# Altium PCB Smart-Car.PcbDoc (part 1 of 2)
Units mil, origin at the board's own origin, x right, y up, seen from the top; angles counter-clockwise.
Board outline 3864.45 x 1894.79 mil, 4 copper layers (Top Layer, Signal Layer 1, GND, Bottom Layer), stack 36.221 mil thick; 161 components, 132 nets, 578 pads, 430 vias.
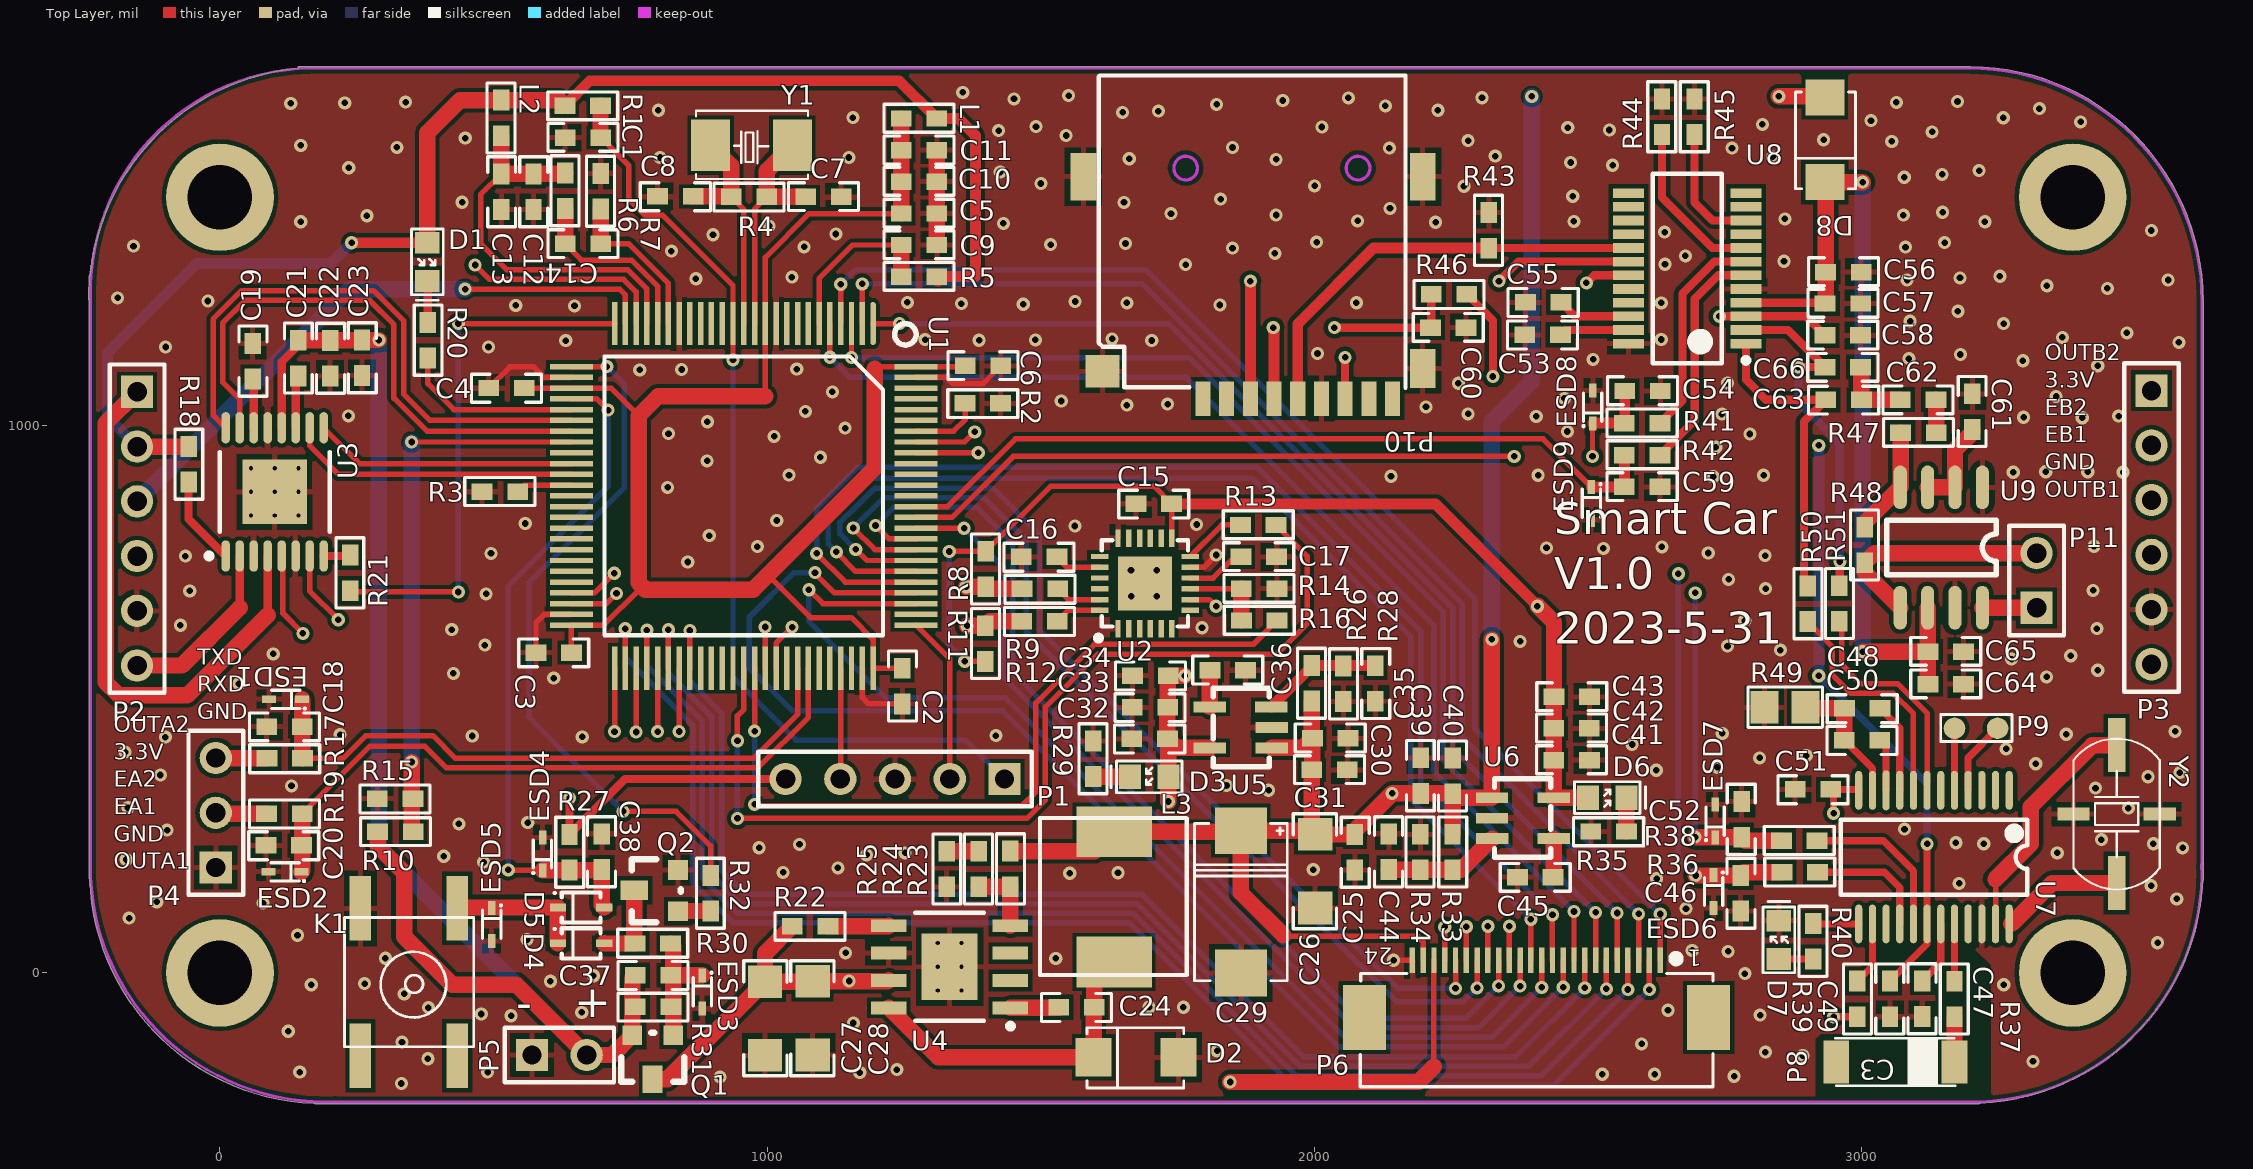
[diagram p0: Top Layer view]
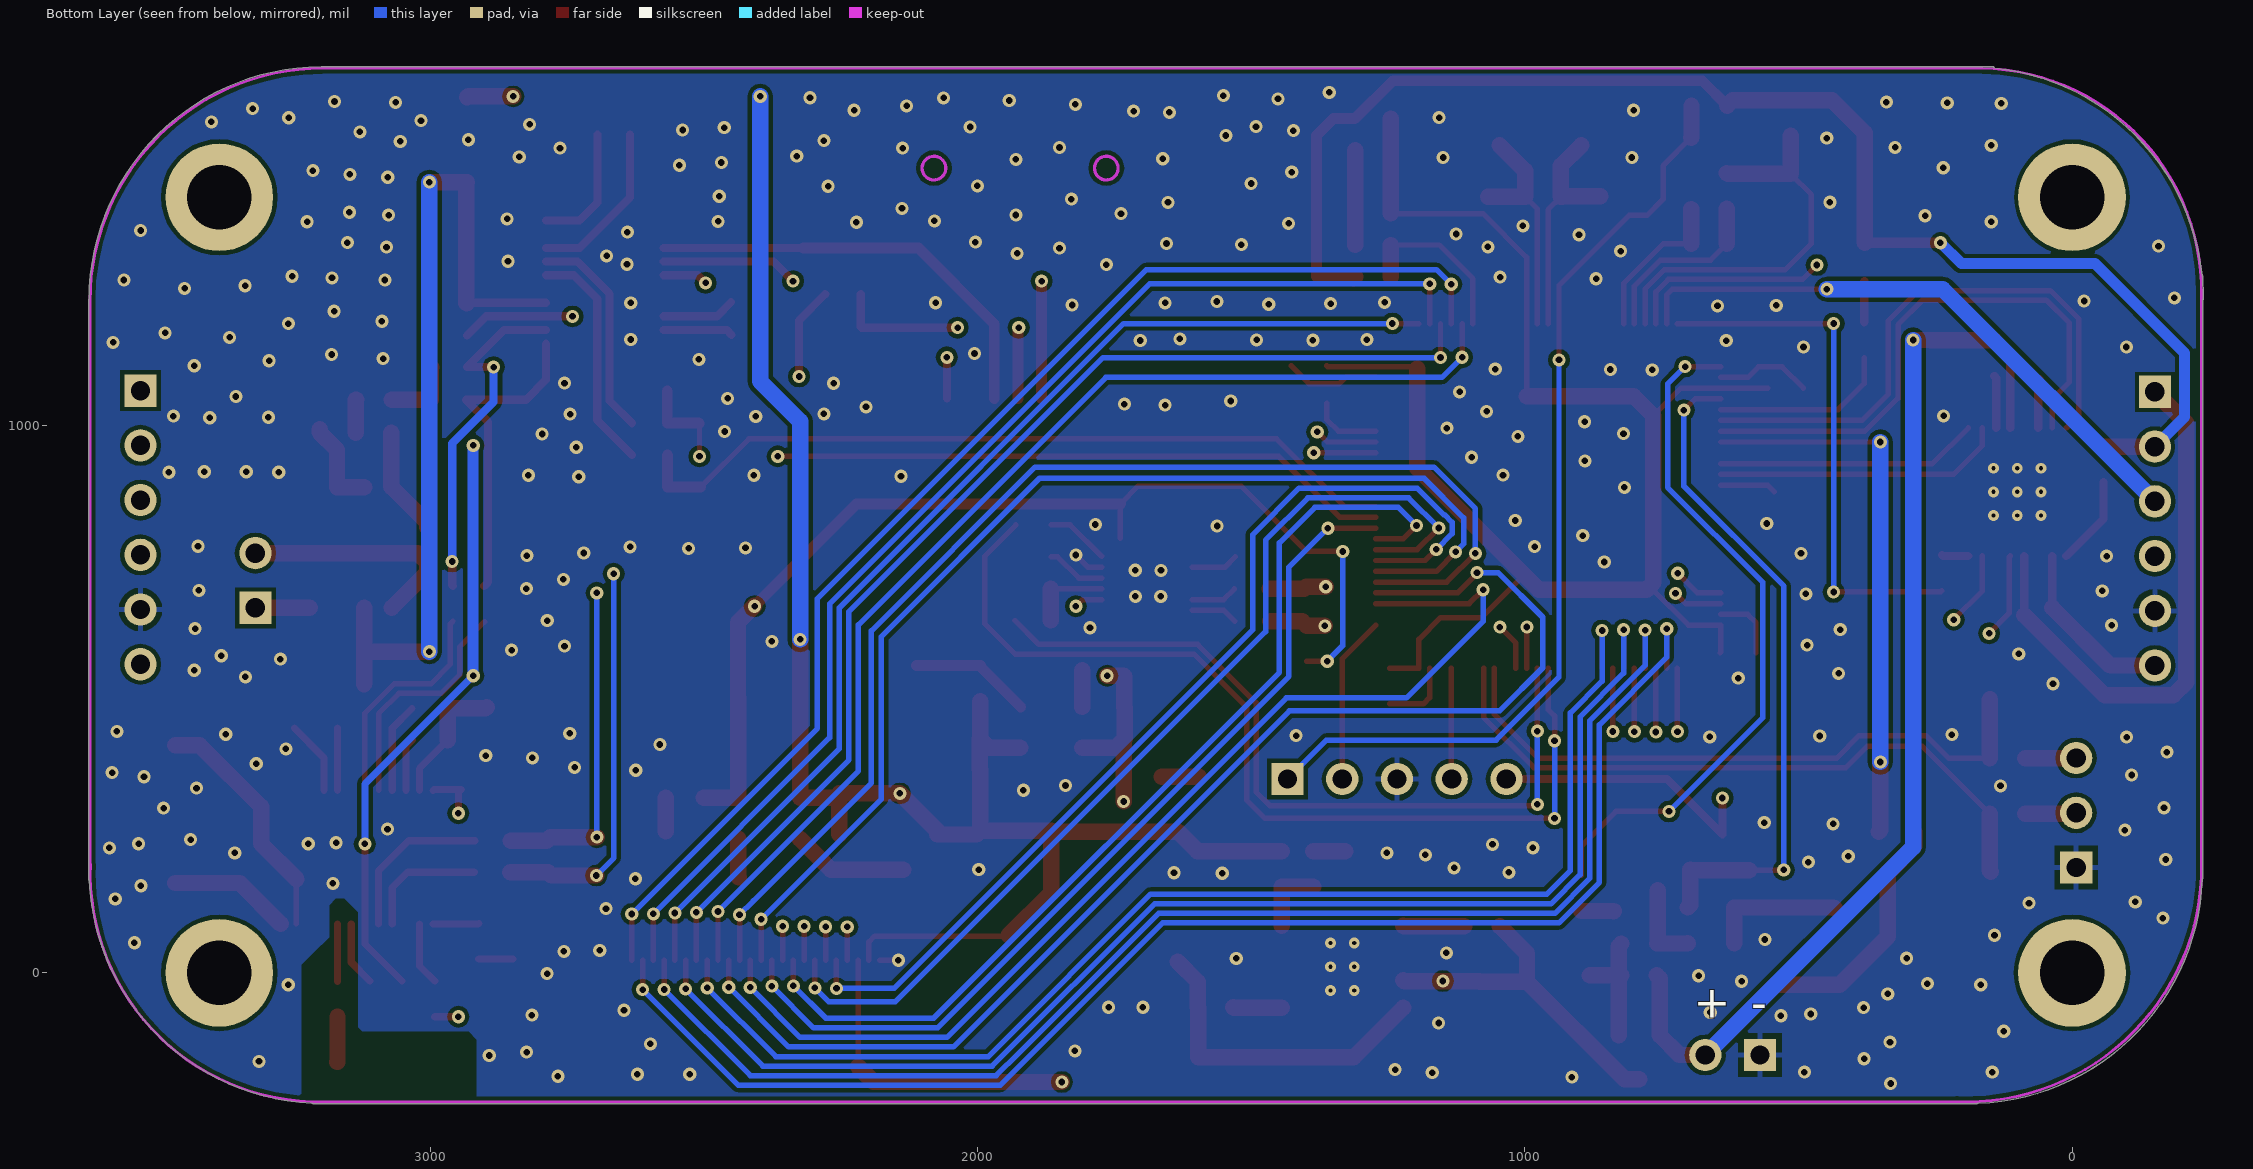
[diagram p1: Bottom Layer view, seen from below]
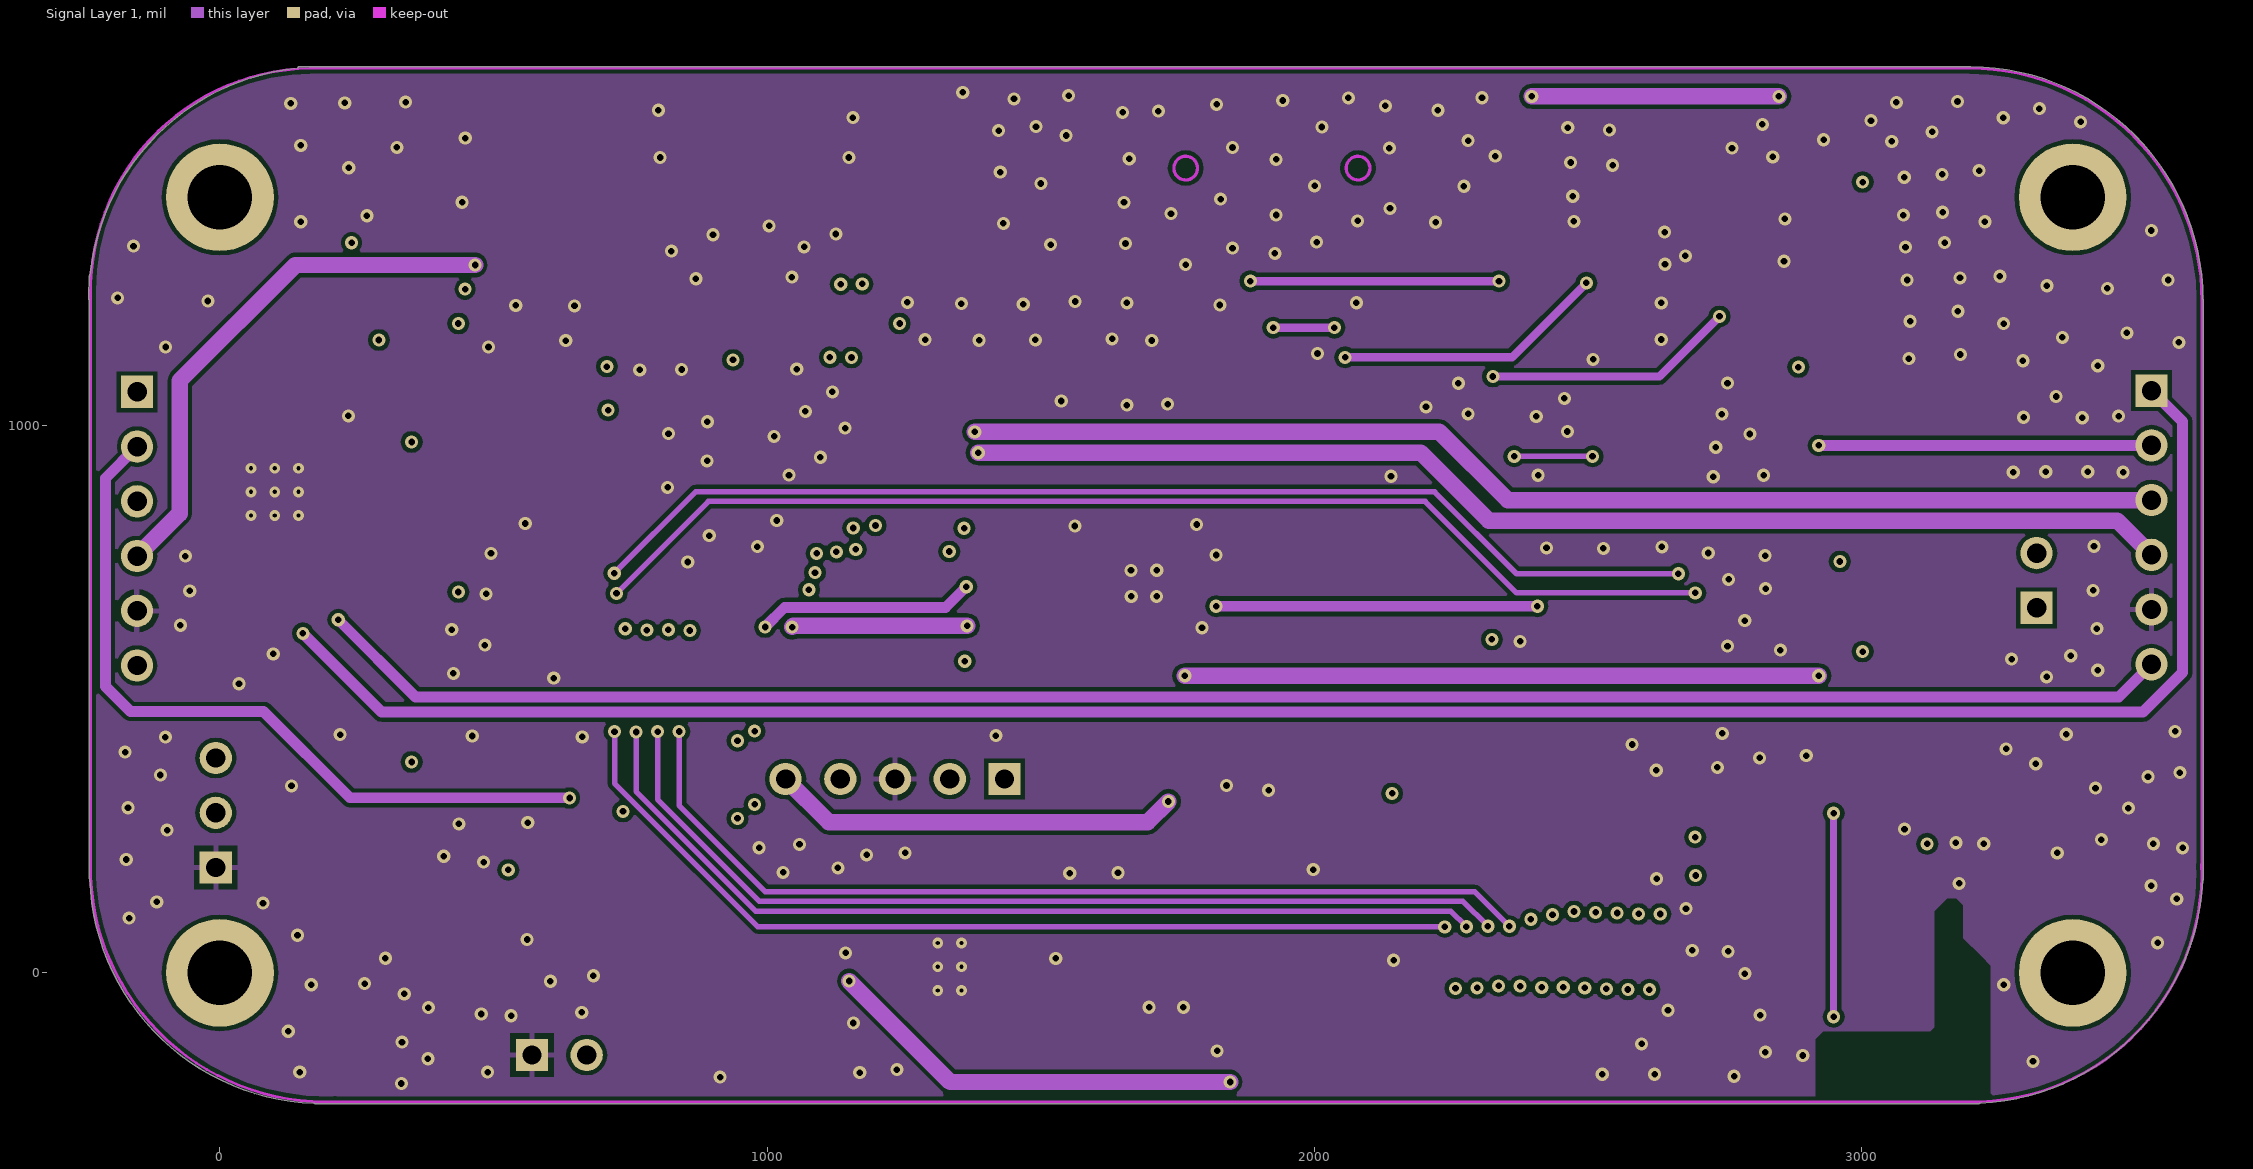
[diagram p2: Signal Layer 1]
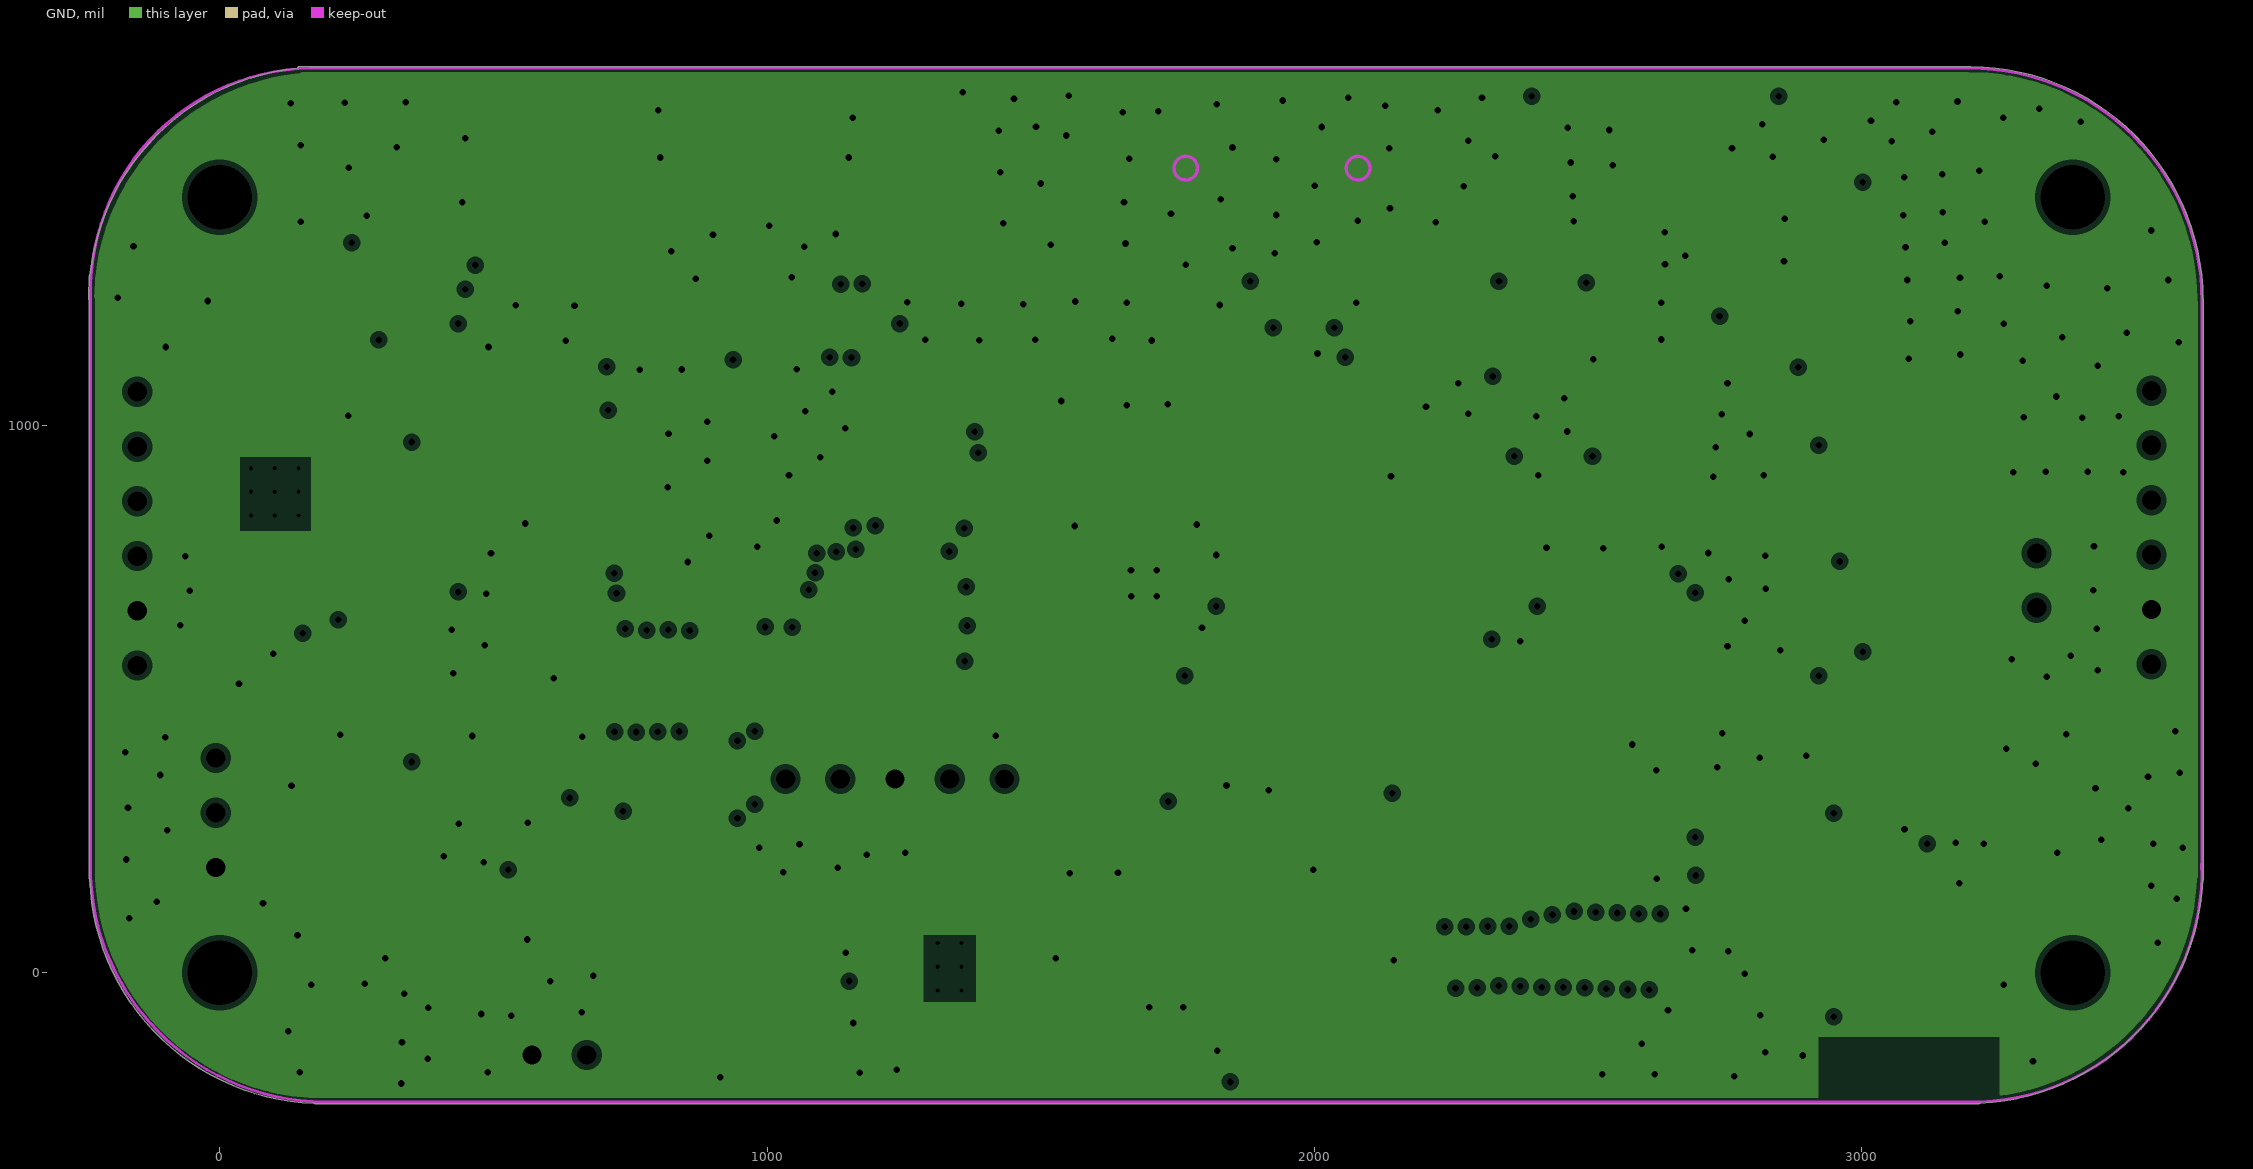
[diagram p3: GND, clearances drawn from the general rule]

## Layer stack, top to bottom
Top Solder: solder mask 1.575, Solder Resist, Dk 3.5
Top Layer: signal copper 7.874
Dielectric 1: core 1.575, FR-4, Dk 4.2
Signal Layer 1: signal copper 7.874
Dielectric 2: core 1.575, Dk 4.2
GND: plane copper 7.874, net GND
Dielectric 3: core 1.575, Dk 4.2
Bottom Layer: signal copper 7.874
Bottom Solder: solder mask 1.575, Solder Resist, Dk 3.5

## Board outline
-238.74,1229.75 cw(c-237.37,1231.87) -239.89,1231.88 cw(c185.73,1230.19) -238.74,1261.52 -238.74,1272.28 cw(c-236.22,1272.28) -237.59,1274.39 cw(c185.73,1230.19) 142.53,1653.61 cw(c145.05,1653.54) 145.05,1656.06 3197.51,1656.06 cw(c3197.51,1653.54) 3198.91,1655.63 cw(c3199.78,1653.28) 3199.79,1655.79 cw(c3198.1,1230.17) 3623.72,1230.88 cw(c3622.05,1229.01) 3624.56,1229.01 3624.56,171.54 cw(c3622.05,171.54) 3623.06,169.24 cw(c3197.83,187.36) 3216.19,-237.86 cw(c3214.28,-236.22) 3214.28,-238.74 173.28,-238.74 cw(c173.28,-236.22) 172.14,-238.46 cw(c187.46,186.88) -237.88,171.39 cw(c-236.22,173.28) -238.74,173.28

## Design rules (kind name [scope] priority, off if disabled: settings)
Clearance PVCC [InNet('PVCC') vs InNet('GND-WAVE')] p1: gap=20 ignorepadtopadclearanceinfootprint=FALSE except(0: Arc-Hole Track-Hole SMDPad-Hole THPad-Hole Via-Hole Fill-Hole Poly-Hole Region-Hole Text-Hole)
Clearance [All] p2: gap=7.5 ignorepadtopadclearanceinfootprint=FALSE except(0: Arc-Hole Track-Hole SMDPad-Hole THPad-Hole Via-Hole Fill-Hole Poly-Hole Region-Hole Text-Hole)
HoleSize [All] p1: absolutevalues=TRUE maxlimit=500 minlimit=1 maxpercent=80.000 minpercent=20.000
MinimumSolderMaskSliver [All] p1: minsoldermaskwidth=0
PlaneClearance [All] p1: clearance=10
PlaneConnect [All] p1: planeconnectstyle=Relief reliefexpansion=20 reliefentries=4 reliefconductorwidth=10 reliefairgap=10
PolygonConnect Via [IsVia] p1: connectstyle=Direct reliefconductorwidth=10 reliefentries=4 polygonreliefangle="90 Angle" airgapwidth=10
PolygonConnect [All] p2: connectstyle=Relief reliefconductorwidth=10 reliefentries=4 polygonreliefangle="90 Angle" airgapwidth=10
RoutingVias [All] p1: holewidth=12 width=24 viastyle="Through Hole" minholewidth=12 minwidth=24 maxholewidth=500 maxwidth=1000
ShortCircuit [All] p1: allowed=TRUE
SilkToSilkClearance [All] p1: silktosilkclearance=0
SilkToSolderMaskClearance [IsPad] p1: minsilkscreentomaskgap=0 clearancetoexposedcopper=TRUE
SolderMaskExpansion [All] p1: expansion=4 istentingtop=FALSE
Width [All] p1: maxlimit=100 minlimit=9 preferedwidth=10
23 further rules are at their usual default settings.

## Classes and differential pairs
component class Voice: C53 C54 C55 C56 C57 C58 C59 C60 C61 C62 C63 C64 C65 C66 D8 ESD8 ESD9 P10 P11 R41 R42 R43 R44 R45 R46 R47 R48 R50 R51 U8 U9
component class KT1025A: C46 C47 C48 C49 C50 C51 C52 D7 ESD6 ESD7 P8 P9 R36 R37 R38 R39 R40 R49 U7 Y2
component class Extend: P6
component class MCU: C1 C2 C3 C4 C5 C6 C7 C8 C9 C10 C11 C12 C13 C14 L1 L2 P1 R1 R2 R3 R4 R5 R6 R7 U1 Y1
component class Module: C15 C16 C17 C18 C19 C20 C21 C22 C23 D1 ESD1 ESD2 P2 P3 P4 R8 R9 R10 R11 R12 R13 R14 R15 R16 R17 R18 R19 R20 R21 U2 U3
component class Power: C24 C25 C26 C27 C28 C29 C30 C31 C32 C33 C34 C35 C36 C37 C38 C39 C40 C41 C42 C43 C44 C45 D2 D3 D4 D5 D6 ESD3 ESD4 ESD5 K1 L3 P5 Q1 Q2 R22 R23 R24 R25 R26 R27 R28 R29 R30 R31 R32 R33 R34 R35 U4 U5 U6